# KiCad board raw.kicad_pcb (continued)
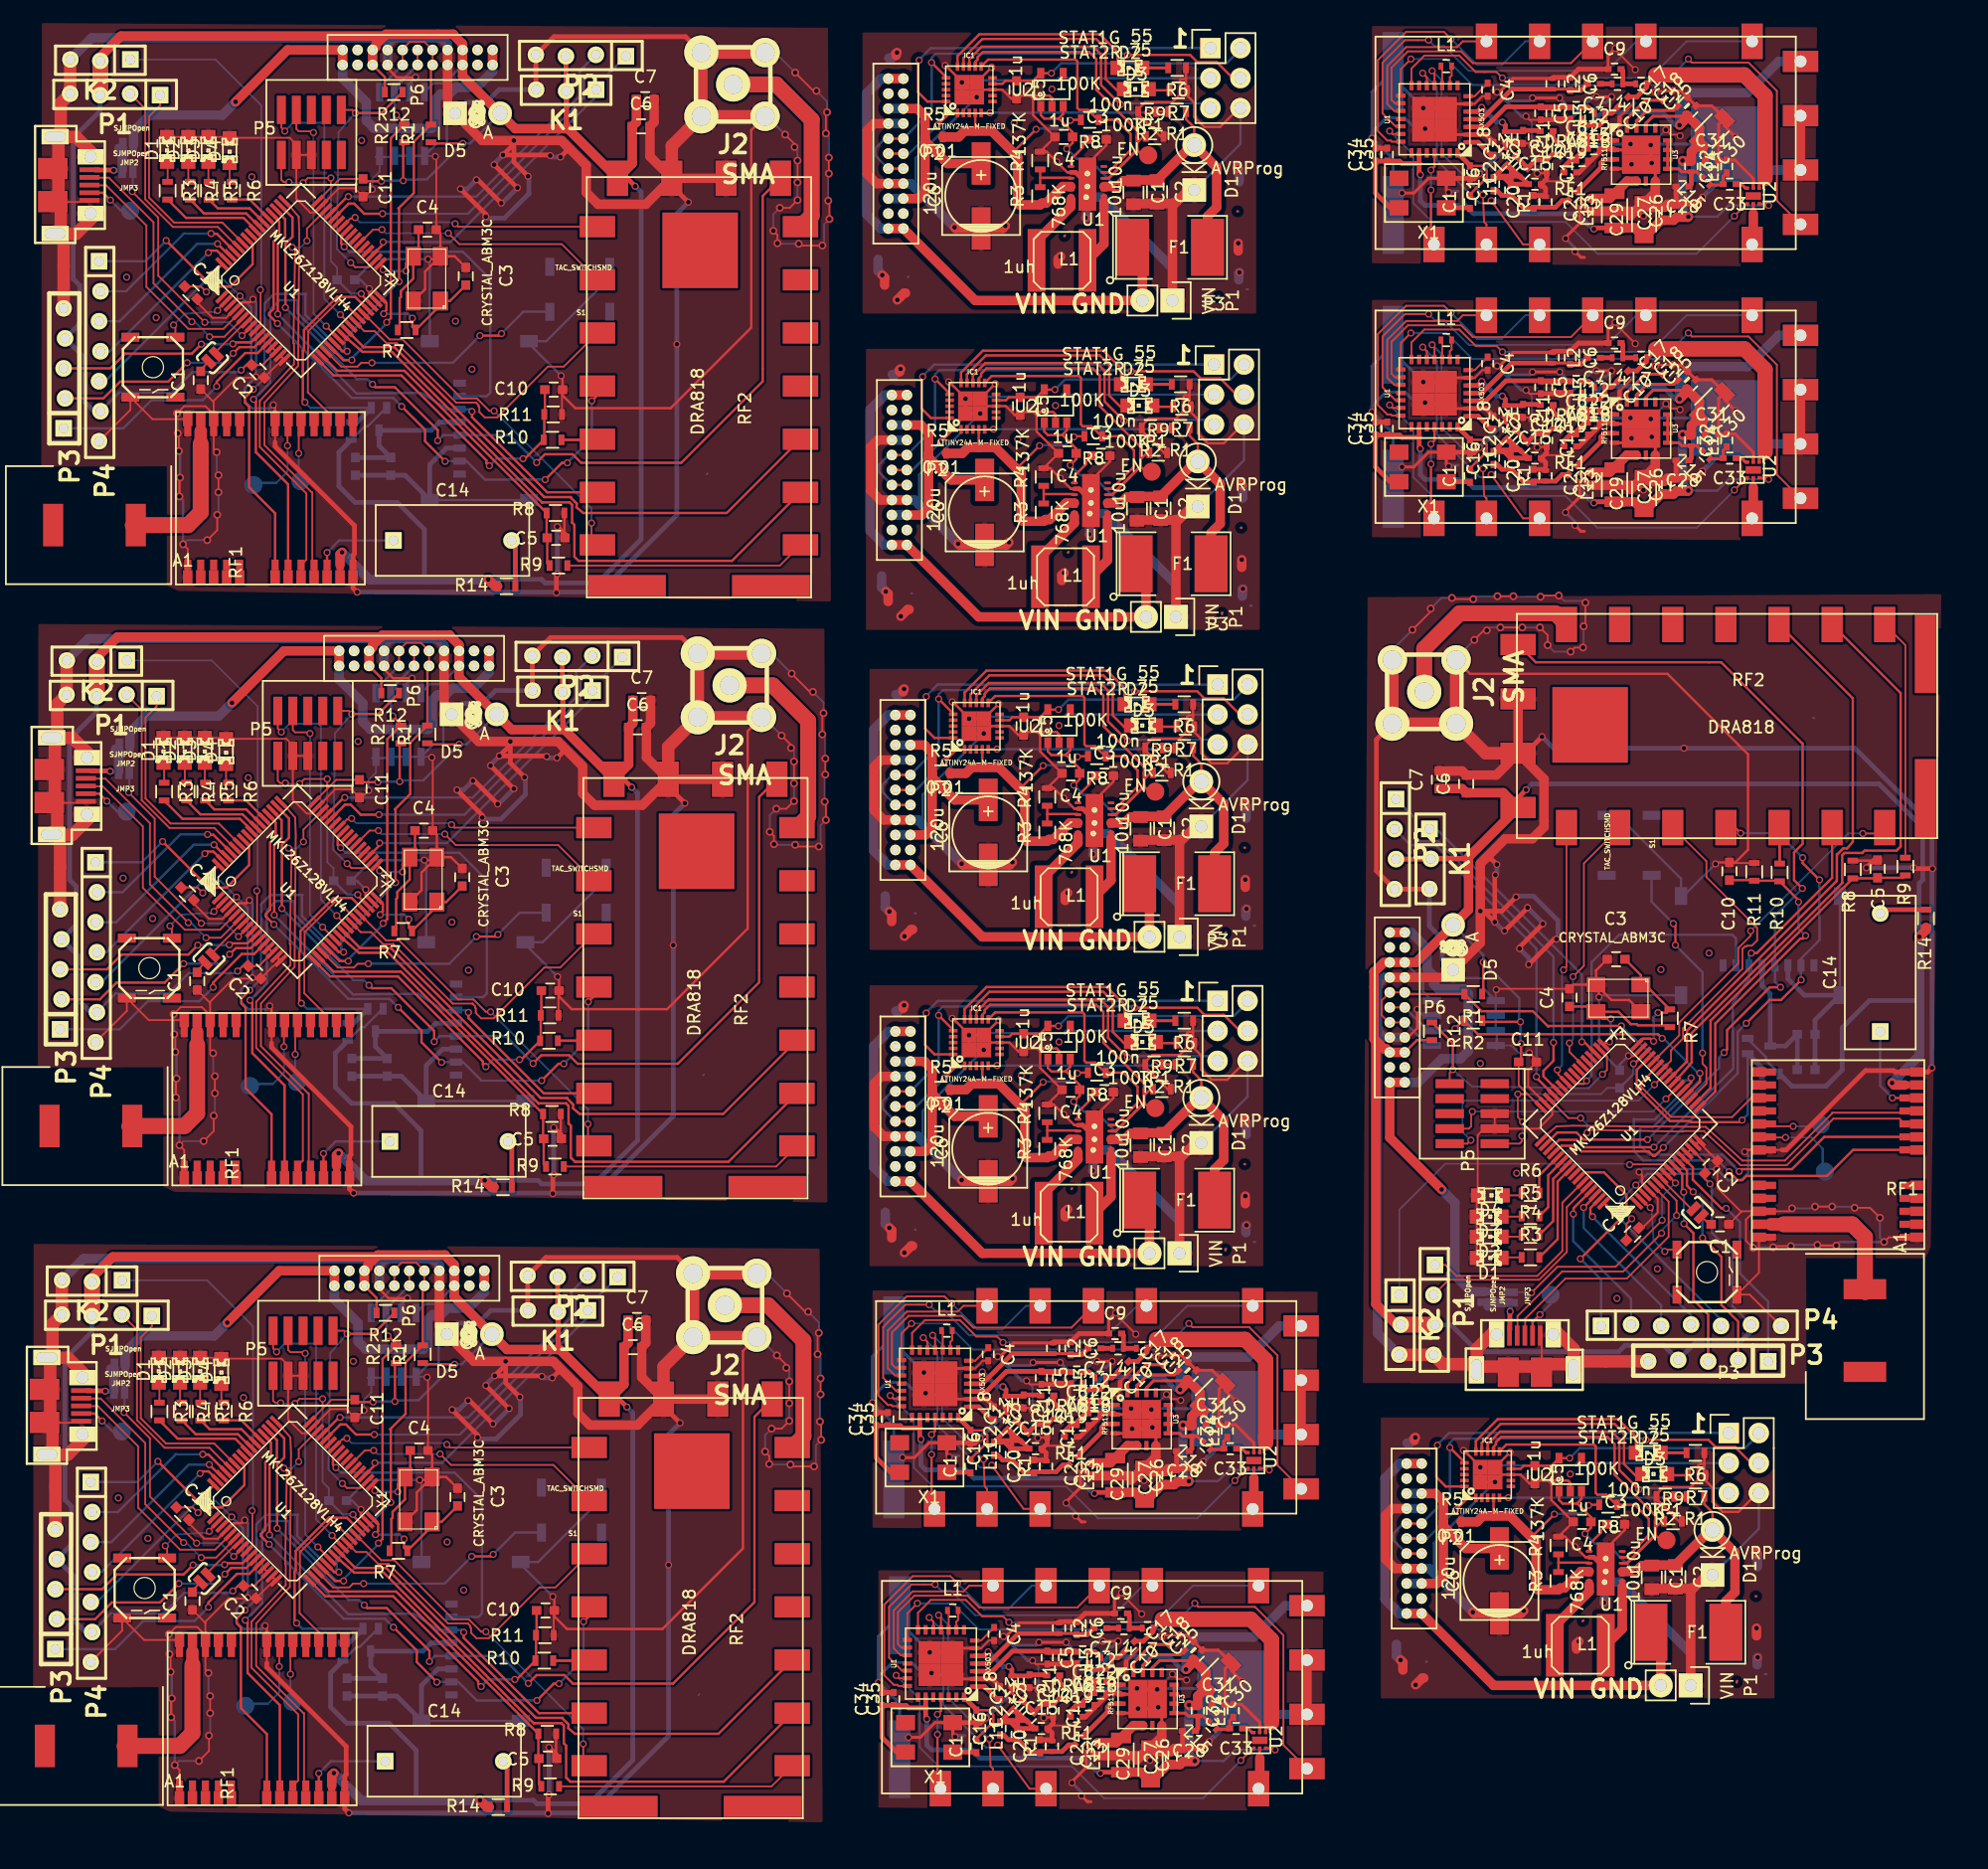
[diagram p0: board, top side]
## Routing (per net, layer and track width the routed paths; a pad name or vN(x,y) marks a point on that pad's centre or on a via; arc(x,y) is an arc through that point) (continued)
/externalUART2TX: length 76.2
  Top w0.152: P1#9.2 118.72,45.6 126.38,45.6 128.73,47.95 128.73,51.75 130.43,53.45 U1#9.60 ; P1#8.2 7.62,41.38 7.62,33.73 9.98,31.38 13.78,31.38 15.47,29.68 U1#8.60 ; P1#7.2 8.03,93.88 8.03,86.23 10.38,83.88 14.18,83.88 15.87,82.18 U1#7.60 ; P1#6.2 8.33,144.78 8.33,137.12 10.68,134.78 14.48,134.78 16.17,133.08 U1#6.60
/GPSPulse: length 61.6
  Top w0.152: RF1#4.3 144.35,61 142.73,59.38 139.4,59.38 139.38,59.4 137.57,59.4 135,61.97 135,62.28 136.44,63.71 U1#9.27 ; RF1#4.3 144.95,60.95 ; RF1#4.3 144.85,60.85 ; RF1#4.3 RF1#4.3 ; RF1#3.3 23.02,15.75 21.4,17.38 21.4,20.7 21.43,20.73 21.43,22.54 23.99,25.1 24.3,25.1 25.73,23.67 U1#8.27 ; RF1#3.3 22.98,15.15 ; RF1#3.3 22.88,15.25 ; RF1#3.3 RF1#3.3 ; RF1#2.3 23.43,68.25 21.8,69.88 21.8,73.2 21.83,73.23 21.83,75.04 24.39,77.6 24.7,77.6 26.13,76.17 U1#7.27 ; RF1#2.3 23.38,67.65 ; RF1#2.3 23.27,67.75 ; RF1#2.3 RF1#2.3 ; RF1.3 23.73,119.15 22.1,120.78 22.1,124.1 22.12,124.13 22.12,125.94 24.69,128.5 25,128.5 26.43,127.07 U1#6.27 ; RF1.3 23.68,118.55 ; RF1.3 RF1.3 ; RF1.3 23.58,118.65
/GPSRX: length 141.3
  Top w0.152: 127.1,57.95 127.1,57.95 127.1,57.95 ; 127.1,57.95 127.08,57.93 ; 19.98,33 19.98,33 19.98,33 ; 19.98,33 19.95,33.03 ; 20.38,85.5 20.38,85.5 20.38,85.5 ; 20.38,85.5 20.35,85.53 ; 20.68,136.4 20.68,136.4 20.68,136.4 ; 20.68,136.4 20.65,136.43 ; 127.08,57.93 127.85,58.6 127.95,58.6 129.25,58.65 140.5,58.55 140.6,58.45 143.6,55.7 147.2,55.7 151.2,59.7 151.2,59.75 157.2,59.75 RF1#4.21 RF1#4.21 158.35,59.85 ; 127.08,57.93 U1#9.49 ; 19.95,33.03 20.62,32.25 20.62,32.15 20.68,30.85 20.58,19.6 20.48,19.5 17.73,16.5 17.73,12.9 21.73,8.9 21.77,8.9 21.77,2.9 RF1#3.21 RF1#3.21 21.88,1.75 ; 19.95,33.03 U1#8.49 ; 20.35,85.53 21.02,84.75 21.02,84.65 21.08,83.35 20.98,72.1 20.88,72 18.12,69 18.12,65.4 22.12,61.4 22.18,61.4 22.18,55.4 RF1#2.21 RF1#2.21 22.27,54.25 ; 20.35,85.53 U1#7.49 ; 20.65,136.43 21.33,135.65 21.33,135.55 21.38,134.25 21.27,123 21.18,122.9 18.43,119.9 18.43,116.3 22.43,112.3 22.48,112.3 22.48,106.3 RF1.21 RF1.21 22.58,105.15 ; 20.65,136.43 U1#6.49
/GPSTX: length 143.4
  Top w0.152: v1(130.45,58.05) 130.7,58.3 138.55,58.15 138.6,58.2 140.35,58.2 140.6,57.95 143.4,55.35 143.45,55.3 147.35,55.3 151.3,59.25 156.9,59.25 RF1#4.20 RF1#4.20 ; v1(20.08,29.65) 20.33,29.4 20.18,21.55 20.23,21.5 20.23,19.75 19.98,19.5 17.38,16.7 17.33,16.65 17.33,12.75 21.27,8.8 21.27,3.2 RF1#3.20 RF1#3.20 ; v1(20.48,82.15) 20.73,81.9 20.58,74.05 20.62,74 20.62,72.25 20.38,72 17.77,69.2 17.73,69.15 17.73,65.25 21.68,61.3 21.68,55.7 RF1#2.20 RF1#2.20 ; v1(20.77,133.05) 21.02,132.8 20.88,124.95 20.93,124.9 20.93,123.15 20.68,122.9 18.08,120.1 18.02,120.05 18.02,116.15 21.98,112.2 21.98,106.6 RF1.20 RF1.20 ; v1(129.9,59.3) 128.86,59.3 U1#9.46 ; v1(21.33,30.2) 21.33,31.24 U1#8.46 ; v1(21.73,82.7) 21.73,83.74 U1#7.46 ; v1(22.02,133.6) 22.02,134.64 U1#6.46
  Bottom w0.152: v1(130.45,58.05) 130.45,58.75 v1(129.9,59.3) ; v1(20.08,29.65) 20.77,29.65 v1(21.33,30.2) ; v1(20.48,82.15) 21.18,82.15 v1(21.73,82.7) ; v1(20.77,133.05) 21.48,133.05 v1(22.02,133.6)
/internalI2C0SCL: length 265.5
  Top w0.152: RF1#3.19 RF1#3.19 ; P6#2.11 P6#2.12 31.09,97.23 ; RF1.19 RF1.19 ; 115.37,68.67 P6#4.12 P6#4.11 ; P6#3.11 P6#3.12 30.7,44.73 ; RF1#4.19 RF1#4.19 ; 31.4,148.13 P6.12 P6.11 ; RF1#2.19 RF1#2.19
  Top w0.2: v1(136.8,66.05) 136.45,66.4 121.2,66.4 R2#9.2 119.93,67.55 v1(119.25,66.88) ; v1(28.08,23.3) 28.43,23.65 28.43,38.9 R2#8.2 29.58,40.18 v1(28.9,40.85) ; v1(28.48,75.8) 28.83,76.15 28.83,91.4 R2#7.2 29.98,92.68 v1(29.3,93.35) ; v1(28.77,126.7) 29.12,127.05 29.12,142.3 R2#6.2 30.27,143.58 v1(29.6,144.25) ; v1(140,63.1) 140,62.37 U1#9.20 ; v1(25.12,20.1) 24.39,20.1 U1#8.20 ; v1(25.52,72.6) 24.79,72.6 U1#7.20 ; v1(25.83,123.5) 25.09,123.5 U1#6.20 ; v1(143.33,54.78) 143.53,54.98 147.8,54.98 150.53,57.7 RF1#4.19 ; v1(16.8,16.78) 17,16.58 17,12.3 19.73,9.58 RF1#3.19 ; v1(17.2,69.28) 17.4,69.08 17.4,64.8 20.12,62.08 RF1#2.19 ; v1(17.5,120.18) 17.7,119.98 17.7,115.7 20.43,112.98 RF1.19 ; P6#3.12 30.68,45.08 ; P6#4.12 115.02,68.65 ; P6#2.12 31.08,97.58 ; P6.12 31.38,148.48
  Bottom w0.2: v1(136.8,66.05) 136.9,66.05 136.9,66 136.95,66 139.85,63.1 v1(140,63.1) 140,62.5 136,58.5 135,58.5 134.93,58.43 134.93,56.98 135.7,56.2 141.9,56.2 v1(143.33,54.78) ; v1(28.08,23.3) 28.08,23.2 28.02,23.2 28.02,23.15 25.12,20.25 v1(25.12,20.1) 24.52,20.1 20.52,24.1 20.52,25.1 20.45,25.18 19,25.18 18.23,24.4 18.23,18.2 v1(16.8,16.78) ; v1(28.48,75.8) 28.48,75.7 28.43,75.7 28.43,75.65 25.52,72.75 v1(25.52,72.6) 24.93,72.6 20.93,76.6 20.93,77.6 20.85,77.68 19.4,77.68 18.62,76.9 18.62,70.7 v1(17.2,69.28) ; v1(28.77,126.7) 28.77,126.6 28.73,126.6 28.73,126.55 25.83,123.65 v1(25.83,123.5) 25.23,123.5 21.23,127.5 21.23,128.5 21.15,128.58 19.7,128.58 18.93,127.8 18.93,121.6 v1(17.5,120.18) ; P6#4.12 116.55,67.13 116.9,67.13 U2#13.6 119.09,66.72 v1(119.25,66.88) ; P6#3.12 29.15,43.55 29.15,43.21 U2#12.6 28.74,41.01 v1(28.9,40.85) ; P6#2.12 29.55,96.05 29.55,95.71 U2#11.6 29.14,93.51 v1(29.3,93.35) ; P6.12 29.85,146.95 29.85,146.61 U2#10.6 29.44,144.41 v1(29.6,144.25)
/internalI2C0SDA: length 292.5
  Top w0.152: P6#2.14 P6#2.13 29.83,98.95 30.43,99.55 31.69,99.55 P6#2.9 P6#2.10 ; P6#3.14 P6#3.13 29.43,46.45 30.02,47.05 31.29,47.05 P6#3.9 P6#3.10 ; P6#4.10 P6#4.9 113.05,69.26 113.05,68 113.65,67.4 P6#4.13 P6#4.14 ; RF1#2.18 RF1#2.18 ; RF1#4.18 RF1#4.18 ; RF1.18 RF1.18 ; P6.14 P6.13 30.12,149.85 30.73,150.45 31.98,150.45 P6.9 P6.10 ; RF1#3.18 RF1#3.18
  Top w0.2: v1(133.35,67.1) 127.2,67.1 127.15,67.05 125.85,68.35 121.5,68.35 R1#9.2 ; v1(29.12,26.75) 29.12,32.9 29.08,32.95 30.38,34.25 30.38,38.6 R1#8.2 ; v1(29.52,79.25) 29.52,85.4 29.48,85.45 30.77,86.75 30.77,91.1 R1#7.2 ; v1(29.83,130.15) 29.83,136.3 29.77,136.35 31.08,137.65 31.08,142 R1#6.2 ; v1(139.25,62.7) 139.25,62.33 U1#9.21 ; v1(24.73,20.85) 24.35,20.85 U1#8.21 ; v1(25.12,73.35) 24.75,73.35 U1#7.21 ; v1(25.43,124.25) 25.05,124.25 U1#6.21 ; P6#4.10 115.14,69.8 R1#9.2 ; P6#3.10 31.83,44.96 R1#8.2 ; P6#2.10 32.23,97.46 R1#7.2 ; P6.10 32.52,148.36 R1#6.2 ; v1(142.48,54.75) 143.18,54.05 143.6,54.05 143.95,54.4 150.78,54.4 152.98,56.6 RF1#4.18 ; v1(16.77,17.62) 16.08,16.93 16.08,16.5 16.43,16.15 16.43,9.33 18.62,7.12 RF1#3.18 ; v1(17.18,70.13) 16.48,69.43 16.48,69 16.83,68.65 16.83,61.83 19.02,59.63 RF1#2.18 ; v1(17.48,121.03) 16.77,120.33 16.77,119.9 17.12,119.55 17.12,112.73 19.33,110.53 RF1.18 ; R1#6.2 32.66,143.59 ; R1#7.2 32.37,92.69 ; R1#8.2 31.97,40.19 ; R1#9.2 119.91,69.94
  Bottom w0.2: v1(133.35,67.1) 133.35,67.05 138.25,62.5 139.05,62.5 v1(139.25,62.7) 139.25,62.25 136.18,59.18 134.45,59.18 134.4,59.23 134.4,56.5 135.2,55.7 141.53,55.7 v1(142.48,54.75) ; v1(29.12,26.75) 29.08,26.75 24.52,21.85 24.52,21.05 v1(24.73,20.85) 24.27,20.85 21.2,23.93 21.2,25.65 21.25,25.7 18.52,25.7 17.73,24.9 17.73,18.58 v1(16.77,17.62) ; v1(29.52,79.25) 29.48,79.25 24.93,74.35 24.93,73.55 v1(25.12,73.35) 24.68,73.35 21.6,76.43 21.6,78.15 21.65,78.2 18.93,78.2 18.12,77.4 18.12,71.08 v1(17.18,70.13) ; v1(29.83,130.15) 29.77,130.15 25.23,125.25 25.23,124.45 v1(25.43,124.25) 24.98,124.25 21.9,127.33 21.9,129.05 21.95,129.1 19.23,129.1 18.43,128.3 18.43,121.98 v1(17.48,121.03) ; U2#13.5 116.96,65.45 P6#4.14 ; U2#12.5 27.47,43.15 P6#3.14 ; U2#11.5 27.87,95.65 P6#2.14 ; U2#10.5 28.17,146.55 P6.14
/internalSPI0Clk: length 309.7
  Top w0.2: v1(135.55,57.48) 130.15,57.48 129.55,58.08 127.93,58.08 126.89,57.04 U1#9.50 ; v1(19.5,24.55) 19.5,29.95 20.1,30.55 20.1,32.18 19.06,33.22 U1#8.50 ; v1(19.9,77.05) 19.9,82.45 20.5,83.05 20.5,84.68 19.46,85.72 U1#7.50 ; v1(20.2,127.95) 20.2,133.35 20.8,133.95 20.8,135.58 19.76,136.62 U1#6.50 ; v1(142.05,64.85) 142.3,65.1 142.3,66.75 145.93,70.38 v1(146.83,70.38) ; v1(26.88,18.05) 27.12,17.8 28.77,17.8 32.4,14.18 v1(32.4,13.28) ; v1(27.27,70.55) 27.52,70.3 29.18,70.3 32.8,66.68 v1(32.8,65.78) ; v1(27.58,121.45) 27.83,121.2 29.48,121.2 33.1,117.58 v1(33.1,116.68) ; v1(148.68,78.75) 147.98,79.45 147.98,81.8 148.7,82.53 148.7,91 141.8,97.9 140.75,97.9 126.1,97.9 RF2#4.11 ; v1(40.77,11.43) 41.48,12.12 43.83,12.12 44.55,11.4 53.02,11.4 59.93,18.3 59.93,34 RF2#3.11 ; v1(41.18,63.93) 41.88,64.63 44.23,64.63 44.95,63.9 53.43,63.9 60.32,70.8 60.32,86.5 RF2#2.11 ; v1(41.48,114.83) 42.18,115.53 44.52,115.53 45.25,114.8 53.73,114.8 60.63,121.7 60.63,137.4 RF2.11
  Bottom w0.2: v1(135.55,57.48) 141.6,63.53 ; 141.6,63.53 141.6,63.55 ; 141.6,63.53 141.6,64.4 v1(142.05,64.85) ; v1(19.5,24.55) 25.55,18.5 ; 25.55,18.5 25.58,18.5 ; 25.55,18.5 26.43,18.5 v1(26.88,18.05) ; v1(19.9,77.05) 25.95,71 ; 25.95,71 25.98,71 ; 25.95,71 26.83,71 v1(27.27,70.55) ; v1(20.2,127.95) 26.25,121.9 ; 26.25,121.9 26.27,121.9 ; 26.25,121.9 27.12,121.9 v1(27.58,121.45) ; v1(146.83,70.38) 146.36,70.85 J1#4.5 146.36,76.43 v1(148.68,78.75) ; v1(32.4,13.28) 32.87,13.75 J1#3.5 38.45,13.75 v1(40.77,11.43) ; v1(32.8,65.78) 33.27,66.25 J1#2.5 38.85,66.25 v1(41.18,63.93) ; v1(33.1,116.68) 33.57,117.15 J1.5 39.15,117.15 v1(41.48,114.83)
/internalSPI0MISO: length 196.2
  Top w0.2: 127.68,56.33 U1#9.52 127.65,56.33 128.28,56.95 129.48,56.95 129.96,56.48 135.66,56.48 136.03,56.1 136.2,56.1 v1(136.9,56.8) ; 18.35,32.42 U1#8.52 18.35,32.45 18.98,31.83 18.98,30.62 18.5,30.15 18.5,24.45 18.12,24.08 18.12,23.9 v1(18.83,23.2) ; 18.75,84.92 U1#7.52 18.75,84.95 19.38,84.33 19.38,83.13 18.9,82.65 18.9,76.95 18.52,76.58 18.52,76.4 v1(19.23,75.7) ; 19.05,135.82 U1#6.52 19.05,135.85 19.68,135.23 19.68,134.03 19.2,133.55 19.2,127.85 18.83,127.48 18.83,127.3 v1(19.52,126.6) ; v1(150.13,79.48) 148.7,80.9 v1(148.7,81.35) ; v1(41.5,9.98) 42.93,11.4 v1(43.38,11.4) ; v1(41.9,62.48) 43.33,63.9 v1(43.77,63.9) ; v1(42.2,113.38) 43.62,114.8 v1(44.08,114.8) ; v1(143.45,83.43) 142.98,83.9 RF2#4.4 ; v1(45.45,16.65) 45.93,17.12 RF2#3.4 ; v1(45.85,69.15) 46.33,69.63 RF2#2.4 ; v1(46.15,120.05) 46.62,120.53 RF2.4 ; v1(143.93,67.33) 145.9,69.3 146.88,69.3 v1(148.58,71) ; v1(29.35,16.18) 31.33,14.2 31.33,13.23 v1(33.02,11.53) ; v1(29.75,68.68) 31.73,66.7 31.73,65.73 v1(33.43,64.03) ; v1(30.05,119.58) 32.02,117.6 32.02,116.63 v1(33.73,114.93)
  Bottom w0.2: v1(150.13,79.48) 150.13,74.38 148.56,72.81 J1#4.7 148.56,71.03 v1(148.58,71) ; v1(41.5,9.98) 36.4,9.98 34.83,11.55 J1#3.7 33.05,11.55 v1(33.02,11.53) ; v1(41.9,62.48) 36.8,62.48 35.23,64.05 J1#2.7 33.45,64.05 v1(33.43,64.03) ; v1(42.2,113.38) 37.1,113.38 35.53,114.95 J1.7 33.75,114.95 v1(33.73,114.93) ; v1(148.7,81.35) 146.63,83.43 v1(143.45,83.43) ; v1(43.38,11.4) 45.45,13.48 v1(45.45,16.65) ; v1(43.77,63.9) 45.85,65.98 v1(45.85,69.15) ; v1(44.08,114.8) 46.15,116.88 v1(46.15,120.05) ; v1(136.9,56.8) 143.2,63.1 143.2,66.6 v1(143.93,67.33) ; v1(18.83,23.2) 25.12,16.9 28.62,16.9 v1(29.35,16.18) ; v1(19.23,75.7) 25.52,69.4 29.02,69.4 v1(29.75,68.68) ; v1(19.52,126.6) 25.83,120.3 29.33,120.3 v1(30.05,119.58)
/internalSPI0MOSI: length 172.2
  Top w0.2: v1(144.35,73.28) 144.83,73.28 151.2,79.65 RF2#4.2 151.1,83.8 ; v1(35.3,15.75) 35.3,15.28 41.68,8.9 RF2#3.2 45.83,9 ; v1(35.7,68.25) 35.7,67.78 42.08,61.4 RF2#2.2 46.23,61.5 ; v1(36,119.15) 36,118.68 42.38,112.3 RF2.2 46.52,112.4 ; v1(136.1,56.83) 130.2,56.83 129.58,57.45 128.08,57.45 127.31,56.68 U1#9.51 ; v1(18.85,24) 18.85,29.9 19.48,30.53 19.48,32.03 18.7,32.8 U1#8.51 ; v1(19.25,76.5) 19.25,82.4 19.88,83.03 19.88,84.53 19.1,85.3 U1#7.51 ; v1(19.55,127.4) 19.55,133.3 20.18,133.93 20.18,135.43 19.4,136.2 U1#6.51
  Bottom w0.2: v1(144.35,73.28) 144.16,73.08 J1#4.3 144.16,71.16 142.78,69 142.83,63.5 v1(136.1,56.83) ; v1(35.3,15.75) 35.1,15.95 J1#3.3 33.18,15.95 31.02,17.33 25.52,17.28 v1(18.85,24) ; v1(35.7,68.25) 35.5,68.45 J1#2.3 33.58,68.45 31.43,69.83 25.93,69.78 v1(19.25,76.5) ; v1(36,119.15) 35.8,119.35 J1.3 33.88,119.35 31.73,120.73 26.23,120.68 v1(19.55,127.4)
/IRQOUT: length 126
  Top w0.16: v1(117.03,127.4) 115.03,127.4 113.12,125.5 113.12,121.2 114.22,120.1 U1#13.19 ; v1(117.03,150.6) 115.03,150.6 113.12,148.7 113.12,144.4 114.22,143.3 U1#12.19 ; v1(75.22,19.8) 73.22,19.8 71.32,17.9 71.32,13.6 72.42,12.5 U1#11.19 ; v1(74.72,43.5) 72.72,43.5 70.82,41.6 70.82,37.3 71.92,36.2 U1#10.19
  Bottom w0.16: v1(117.03,127.4) 117.53,126.9 118.32,126.9 120.42,124.8 132.12,124.8 134.62,127.3 RF1#8.5 ; v1(117.03,150.6) 117.53,150.1 118.32,150.1 120.42,148 132.12,148 134.62,150.5 RF1#7.5 ; v1(75.22,19.8) 75.72,19.3 76.53,19.3 78.62,17.2 90.32,17.2 92.82,19.7 RF1#6.5 ; v1(74.72,43.5) 75.22,43 76.03,43 78.12,40.9 89.82,40.9 92.32,43.4 RF1#5.5
/ISense: length 130.3
  Top w0.2: U1#5.5 U1#5.4 ; U1#4.5 U1#4.4 ; U1.5 U1.4 ; U1#3.5 U1#3.4 ; U1#2.5 U1#2.4 ; 122.53,25.6 122.53,25.8 122.53,25.6 ; 122.53,25.6 IC1#5.4 ; 79.22,62.2 79.22,62.4 79.22,62.2 ; 79.23,62.2 IC1#4.4 ; 79.22,89 79.22,89.2 79.22,89 ; 79.23,89 IC1#3.4 ; 78.93,116.1 78.93,116.3 78.93,116.1 ; 78.93,116.1 IC1#2.4 ; 78.62,142.9 78.62,143.1 78.62,142.9 ; 78.63,142.9 IC1.4 ; v1(130.57,26.5) 130.62,26.55 R8#5.2 ; v1(87.28,63.1) 87.32,63.15 R8#4.2 ; v1(87.28,89.9) 87.32,89.95 R8.2 ; v1(86.97,117) 87.03,117.05 R8#3.2 ; v1(86.68,143.8) 86.72,143.85 R8#2.2 ; v1(127.67,25.75) 125.72,23.8 125.78,23.85 125.78,23.75 ; v1(84.38,62.35) 82.43,60.4 82.47,60.45 82.47,60.35 ; v1(84.38,89.15) 82.43,87.2 82.47,87.25 82.47,87.15 ; v1(84.07,116.25) 82.12,114.3 82.18,114.35 82.18,114.25 ; v1(83.78,143.05) 81.82,141.1 81.88,141.15 81.88,141.05
  Top w0.8: R5#5.2 77.82,61.7 78.32,62.2 80.62,62.2 82.82,60 82.82,56.1 82.97,55.95 R3#5.1 84.88,56.1 85.22,56.1 86.62,57.5 87.32,57.5 ; R5.2 77.22,142.4 77.72,142.9 80.03,142.9 82.22,140.7 82.22,136.8 82.38,136.65 R3.1 84.28,136.8 84.62,136.8 86.03,138.2 86.72,138.2 ; 87.03,111.4 86.32,111.4 84.93,110 84.57,110 R3#2.1 82.68,109.85 82.53,110 82.53,113.9 80.32,116.1 78.03,116.1 77.53,115.6 R5#2.2 ; R5#4.2 121.12,25.1 121.62,25.6 123.92,25.6 126.12,23.4 126.12,19.5 126.28,19.35 R3#4.1 128.17,19.5 128.53,19.5 129.92,20.9 130.62,20.9 ; R5#3.2 77.82,88.5 78.32,89 80.62,89 82.82,86.8 82.82,82.9 82.97,82.75 R3#3.1 84.88,82.9 85.22,82.9 86.62,84.3 87.32,84.3
  Bottom w0.2: v1(130.57,26.5) 129.88,25.8 127.72,25.8 v1(127.67,25.75) ; v1(87.28,63.1) 86.57,62.4 84.43,62.4 v1(84.38,62.35) ; v1(87.28,89.9) 86.57,89.2 84.43,89.2 v1(84.38,89.15) ; v1(86.97,117) 86.28,116.3 84.12,116.3 v1(84.07,116.25) ; v1(86.68,143.8) 85.97,143.1 83.82,143.1 v1(83.78,143.05)
/LED1: length 34.1
  Top w0.2: R3#9.2 127.95,49.05 127.95,53.93 128.94,54.91 U1#9.56 ; R3#8.2 11.08,32.15 15.95,32.15 16.93,31.17 U1#8.56 ; R3#7.2 11.48,84.65 16.35,84.65 17.33,83.67 U1#7.56 ; R3#6.2 11.78,135.55 16.65,135.55 17.63,134.57 U1#6.56
/LED2: length 27.2
  Top w0.2: R4#9.2 127.58,50.58 127.58,54.15 128.66,55.23 U1#9.55 ; R4#8.2 12.6,32.53 16.18,32.53 17.25,31.45 U1#8.55 ; R4#7.2 13,85.03 16.58,85.03 17.65,83.95 U1#7.55 ; R4#6.2 13.3,135.93 16.88,135.93 17.95,134.85 U1#6.55
/LED3: length 21.6
  Top w0.2: R5#9.2 127.15,51.75 127.15,54.45 128.3,55.61 U1#9.54 ; R5#8.2 13.78,32.95 16.48,32.95 17.63,31.8 U1#8.54 ; R5#7.2 14.18,85.45 16.88,85.45 18.03,84.3 U1#7.54 ; R5#6.2 14.48,136.35 17.18,136.35 18.33,135.2 U1#6.54
/LED4: length 14.7
  Top w0.2: R6#9.2 126.4,54.45 127.93,55.98 U1#9.53 ; R6#8.2 16.48,33.7 18,32.18 U1#8.53 ; R6#7.2 16.88,86.2 18.4,84.68 U1#7.53 ; R6#6.2 17.18,137.1 18.7,135.58 U1#6.53
/MISO: length 89.7
  Top w0.16: RF1#8.4 129.07,125.45 120.78,125.45 119.78,126.45 115.28,126.45 113.89,125.06 113.89,122.34 114.17,122.05 U1#13.16 ; RF1#7.4 129.07,148.65 120.78,148.65 119.78,149.65 115.28,149.65 113.89,148.26 113.89,145.54 114.17,145.25 U1#12.16 ; RF1#6.4 87.28,17.85 78.97,17.85 77.97,18.85 73.47,18.85 72.09,17.46 72.09,14.74 72.37,14.45 U1#11.16 ; RF1#5.4 86.78,41.55 78.47,41.55 77.47,42.55 72.97,42.55 71.59,41.16 71.59,38.44 71.87,38.15 U1#10.16
/MOSI: length 55.5
  Top w0.16: U1#13.17 114.12,121.4 113.53,122 113.53,125.21 115.13,126.81 119.44,126.81 119.92,127.3 RF1#8.2 ; U1#12.17 114.12,144.6 113.53,145.2 113.53,148.41 115.13,150.01 119.44,150.01 119.92,150.5 RF1#7.2 ; U1#11.17 72.32,13.8 71.72,14.4 71.72,17.61 73.33,19.21 77.64,19.21 78.12,19.7 RF1#6.2 ; U1#10.17 71.82,37.5 71.22,38.1 71.22,41.31 72.83,42.91 77.14,42.91 77.62,43.4 RF1#5.2
/PA/PAInput: length 29.9
  Top w0.4: v1(121.53,121.7) 121.18,121.35 U1#13.5 ; v1(121.53,144.9) 121.18,144.55 U1#12.5 ; v1(79.72,14.1) 79.38,13.75 U1#11.5 ; v1(79.22,37.8) 78.88,37.45 U1#10.5 ; v1(123.28,120.45) 123.53,120.2 L8#4.2 124.92,119.65 C11#8.1 126.42,119.75 C12#4.2 ; v1(123.28,143.65) 123.53,143.4 L8#3.2 124.92,142.85 C11#7.1 126.42,142.95 C12#3.2 ; v1(81.47,12.85) 81.72,12.6 L8#2.2 83.12,12.05 C11#6.1 84.62,12.15 C12#2.2 ; v1(80.97,36.55) 81.22,36.3 L8.2 82.62,35.75 C11#5.1 84.12,35.85 C12.2
  Bottom w0.4: v1(121.53,121.7) 122.78,120.45 v1(123.28,120.45) ; v1(121.53,144.9) 122.78,143.65 v1(123.28,143.65) ; v1(79.72,14.1) 80.97,12.85 v1(81.47,12.85) ; v1(79.22,37.8) 80.47,36.55 v1(80.97,36.55)
/PA/PAOutput: length 4.4
  Top w0.25: U2#9.6 143.86,114.86 143.53,115.2 C33#4.1 ; U2#8.6 143.86,138.06 143.53,138.4 C33#3.1 ; U2#7.6 102.06,7.26 101.72,7.6 C33#2.1 ; U2#6.6 101.56,30.96 101.22,31.3 C33.1
/PSave: length 111.1
  Top w0.2: IC1#5.11 123.61,31.65 131.03,31.65 131.17,31.5 131.17,27.55 131.32,27.4 132.07,27.4 132.92,26.55 R8#5.1 134.47,26.55 135.67,25.35 135.67,23.98 133.79,22.1 U1#5.13 ; IC1#4.11 80.31,68.25 87.72,68.25 87.88,68.1 87.88,64.15 88.03,64 88.78,64 89.62,63.15 R8#4.1 91.18,63.15 92.38,61.95 92.38,60.58 90.49,58.7 U1#4.13 ; IC1#3.11 80.31,95.05 87.72,95.05 87.88,94.9 87.88,90.95 88.03,90.8 88.78,90.8 89.62,89.95 R8.1 91.18,89.95 92.38,88.75 92.38,87.38 90.49,85.5 U1.13 ; IC1#2.11 80.01,122.15 87.43,122.15 87.57,122 87.57,118.05 87.72,117.9 88.47,117.9 89.32,117.05 R8#3.1 90.88,117.05 92.07,115.85 92.07,114.48 90.19,112.6 U1#3.13 ; IC1.11 79.71,148.95 87.12,148.95 87.28,148.8 87.28,144.85 87.43,144.7 88.18,144.7 89.03,143.85 R8#2.1 90.57,143.85 91.78,142.65 91.78,141.28 89.89,139.4 U1#2.13
/SDA: length 216.1
  Top w0.2: 120.01,30.05 IC1#5.16 ; IC1#5.16 120.06,30.12 ; IC1#5.16 120.06,30.17 v1(118.82,31.4) ; 76.71,66.65 IC1#4.16 ; IC1#4.16 76.76,66.72 ; IC1#4.16 76.76,66.77 v1(75.53,68) ; 76.71,93.45 IC1#3.16 ; IC1#3.16 76.76,93.52 ; IC1#3.16 76.76,93.57 v1(75.53,94.8) ; 76.41,120.55 IC1#2.16 ; IC1#2.16 76.46,120.62 ; IC1#2.16 76.46,120.67 v1(75.22,121.9) ; 76.11,147.35 IC1.16 ; IC1.16 76.16,147.42 ; IC1.16 76.16,147.47 v1(74.93,148.7) ; v1(135.42,32.05) 140.72,32.05 141.32,31.45 142.97,31.45 144.34,30.09 P3#4.4 ; v1(92.12,68.65) 97.43,68.65 98.03,68.05 99.68,68.05 101.04,66.69 P3#5.4 ; v1(92.12,95.45) 97.43,95.45 98.03,94.85 99.68,94.85 101.04,93.49 P3#3.4 ; v1(91.82,122.55) 97.12,122.55 97.72,121.95 99.38,121.95 100.74,120.59 101.39,120.59 ; v1(91.53,149.35) 96.82,149.35 97.43,148.75 99.07,148.75 100.44,147.39 101.09,147.39 ; P2.9 P2.10 ; P2#2.9 P2#2.10 ; P2#5.13 P2#5.14 ; P2#3.13 P2#3.14 ; P2#4.9 P2#4.10 ; P2#2.13 P2#2.14 ; P2#4.13 P2#4.14 ; P2#5.9 P2#5.10 ; P2#3.9 P2#3.10 ; P2.13 P2.14
  Bottom w0.2: P2#5.13 114.07,23.51 114.07,24.15 114.88,24.96 P2#5.9 ; P2#4.13 70.78,60.11 70.78,60.75 71.59,61.56 P2#4.9 ; P2#3.13 70.78,86.91 70.78,87.55 71.59,88.36 P2#3.9 ; P2#2.13 70.47,114.01 70.47,114.65 71.28,115.46 P2#2.9 ; P2.13 70.18,140.81 70.18,141.45 70.99,142.26 P2.9 ; v1(135.42,32.05) 135.32,32.15 119.17,32.15 118.82,31.8 v1(118.82,31.4) 118.82,27.35 P2#5.10 ; v1(92.12,68.65) 92.03,68.75 75.88,68.75 75.53,68.4 v1(75.53,68) 75.53,63.95 P2#4.10 ; v1(92.12,95.45) 92.03,95.55 75.88,95.55 75.53,95.2 v1(75.53,94.8) 75.53,90.75 P2#3.10 ; v1(91.82,122.55) 91.72,122.65 75.57,122.65 75.22,122.3 v1(75.22,121.9) 75.22,117.85 P2#2.10 ; v1(91.53,149.35) 91.43,149.45 75.28,149.45 74.93,149.1 v1(74.93,148.7) 74.93,144.65 P2.10 ; 101.39,120.59 101.21,120.59 ; P3#4.4 144.81,30.09 ; P3#5.4 101.51,66.69 ; P3#3.4 101.51,93.49 ; 101.09,147.39 100.91,147.39
/SDPower: length 85.3
  Top w0.2: 21.68,122.55 21.68,124.3 21.77,124.4 21.77,126.05 24.58,128.85 26.11,128.85 U1#6.29 ; 21.68,122.55 21.68,122.6 ; 21.68,122.55 21.68,120.1 v1(21.85,119.93) ; 140.95,58.95 139.2,58.95 139.1,59.05 137.45,59.05 134.65,61.85 134.65,63.39 U1#9.29 ; 140.95,58.95 140.9,58.95 ; 140.95,58.95 143.4,58.95 v1(143.58,59.13) ; 20.98,19.15 20.98,20.9 21.08,21 21.08,22.65 23.88,25.45 25.41,25.45 U1#8.29 ; 20.98,19.15 20.98,19.2 ; 20.98,19.15 20.98,16.7 v1(21.15,16.53) ; 21.38,71.65 21.38,73.4 21.48,73.5 21.48,75.15 24.27,77.95 25.81,77.95 U1#7.29 ; 21.38,71.65 21.38,71.7 ; 21.38,71.65 21.38,69.2 v1(21.55,69.03)
  Bottom w0.2: v1(143.58,59.13) 144.05,59.6 Q1#4.1 ; v1(21.15,16.53) 21.63,16.05 Q1#3.1 ; v1(21.55,69.03) 22.03,68.55 Q1#2.1 ; v1(21.85,119.93) 22.33,119.45 Q1.1
  Bottom w0.4: Q1#4.1 145.25,63.55 R13#4.1 ; Q1#3.1 25.57,14.85 R13#3.1 ; Q1#2.1 25.97,67.35 R13#2.1 ; Q1.1 26.27,118.25 R13.1
/SDSelect: length 110.1
  Top w0.2: v1(130.4,62.45) 130.15,62.2 129.5,62.2 U1#9.41 ; v1(24.48,29.7) 24.23,29.95 24.23,30.6 U1#8.41 ; v1(24.88,82.2) 24.62,82.45 24.62,83.1 U1#7.41 ; v1(25.18,133.1) 24.93,133.35 24.93,134 U1#6.41
  Bottom w0.2: v1(130.4,62.45) 130.83,62.88 130.83,72.5 133.15,74.83 142.75,74.83 143.06,74.53 J1#4.2 ; v1(24.48,29.7) 24.9,29.28 34.52,29.28 36.85,26.95 36.85,17.35 36.55,17.05 J1#3.2 ; v1(24.88,82.2) 25.3,81.78 34.93,81.78 37.25,79.45 37.25,69.85 36.95,69.55 J1#2.2 ; v1(25.18,133.1) 25.6,132.68 35.23,132.68 37.55,130.35 37.55,120.75 37.25,120.45 J1.2
/SEL: length 133.5
  Top w0.16: v1(123.28,124.2) 122.78,124.7 121.02,124.7 119.63,126.09 116.66,126.09 115.57,125 U1#13.14 ; v1(123.28,147.4) 122.78,147.9 121.02,147.9 119.63,149.29 116.66,149.29 115.57,148.2 U1#12.14 ; v1(81.47,16.6) 80.97,17.1 79.22,17.1 77.83,18.49 74.86,18.49 73.77,17.4 U1#11.14 ; v1(80.97,40.3) 80.47,40.8 78.72,40.8 77.33,42.19 74.36,42.19 73.27,41.1 U1#10.14
  Bottom w0.16: v1(123.28,124.2) 135.78,124.2 138.88,127.3 RF1#8.7 143.88,127.3 ; v1(123.28,147.4) 135.78,147.4 138.88,150.5 RF1#7.7 143.88,150.5 ; v1(81.47,16.6) 93.97,16.6 97.07,19.7 RF1#6.7 102.07,19.7 ; v1(80.97,40.3) 93.47,40.3 96.57,43.4 RF1#5.7 101.57,43.4
/SW0: length 27.7
  Top w0.152: v1(135.8,51.73) 135.98,51.48 135.02,52.44 U1#9.2 ; v1(13.75,24.3) 13.5,24.12 14.46,25.08 U1#8.2 ; v1(14.15,76.8) 13.9,76.63 14.86,77.58 U1#7.2 ; v1(14.45,127.7) 14.2,127.53 15.16,128.48 U1#6.2 ; v1(137.03,48) 137.18,48.16 S2#4.1 ; v1(10.03,23.08) 10.18,22.92 S2#3.1 ; v1(10.43,75.58) 10.58,75.42 S2#2.1 ; v1(10.73,126.48) 10.88,126.32 S2.1
  Bottom w0.152: v1(135.8,51.73) 135.9,51.63 136.08,48.95 v1(137.03,48) ; v1(13.75,24.3) 13.65,24.2 10.98,24.03 v1(10.03,23.08) ; v1(14.15,76.8) 14.05,76.7 11.38,76.53 v1(10.43,75.58) ; v1(14.45,127.7) 14.35,127.6 11.68,127.43 v1(10.73,126.48)
/SW1: length 85.7
  Top w0.152: U1#9.19 140.55,62.21 140.55,63.58 140.23,63.9 v1(140.23,64.8) ; U1#8.19 24.23,19.55 25.6,19.55 25.93,19.88 v1(26.83,19.88) ; U1#7.19 24.63,72.05 26,72.05 26.33,72.38 v1(27.23,72.38) ; U1#6.19 24.93,122.95 26.3,122.95 26.62,123.28 v1(27.52,123.28)
  Top w0.2: v1(137.75,75.78) 137.93,75.6 v1(137.93,73.95) ; v1(37.8,22.35) 37.62,22.18 v1(35.98,22.18) ; v1(38.2,74.85) 38.02,74.68 v1(36.38,74.68) ; v1(38.5,125.75) 38.33,125.58 v1(36.68,125.58) ; v1(140.23,64.8) 140.2,64.8 ; v1(26.83,19.88) 26.83,19.9 ; v1(27.23,72.38) 27.23,72.4 ; v1(27.52,123.28) 27.52,123.3
  Bottom w0.2: v1(137.75,75.78) 135.91,77.62 S1#4.1 ; v1(37.8,22.35) 39.65,24.2 S1#3.1 ; v1(38.2,74.85) 40.05,76.7 S1#2.1 ; v1(38.5,125.75) 40.34,127.6 S1.1 ; v1(137.93,73.95) 140.23,71.65 v1(140.23,64.8) ; v1(35.98,22.18) 33.68,19.88 v1(26.83,19.88) ; v1(36.38,74.68) 34.08,72.38 v1(27.23,72.38) ; v1(36.68,125.58) 34.38,123.28 v1(27.52,123.28)
/SWD_CLK: length 86.2
  Top w0.152: v1(137.13,60.93) 138.19,61.99 U1#9.22 ; v1(22.95,22.98) 24.01,21.92 U1#8.22 ; v1(23.35,75.48) 24.41,74.42 U1#7.22 ; v1(23.65,126.38) 24.71,125.32 U1#6.22 ; v1(120.73,59.85) 120.63,59.75 120.63,58.6 120.43,58.4 P5#4.4 ; v1(21.88,39.38) 21.77,39.48 20.62,39.48 20.43,39.68 P5#3.4 ; v1(22.27,91.88) 22.18,91.98 21.02,91.98 20.83,92.18 P5#2.4 ; v1(22.58,142.78) 22.48,142.88 21.33,142.88 21.12,143.08 P5.4
  Bottom w0.152: v1(137.13,60.93) 136.05,59.85 v1(120.73,59.85) ; v1(22.95,22.98) 21.88,24.05 v1(21.88,39.38) ; v1(23.35,75.48) 22.27,76.55 v1(22.27,91.88) ; v1(23.65,126.38) 22.58,127.45 v1(22.58,142.78)
/SWD_DIO: length 94.5
  Top w0.152: v1(136.15,62.13) 137.07,63.05 U1#9.25 ; v1(24.15,23.95) 25.07,23.03 U1#8.25 ; v1(24.55,76.45) 25.47,75.53 U1#7.25 ; v1(24.85,127.35) 25.77,126.43 U1#6.25 ; v1(120.6,57.43) 120.31,57.13 P5#4.2 ; v1(19.45,39.5) 19.16,39.8 P5#3.2 ; v1(19.85,92) 19.55,92.3 P5#2.2 ; v1(20.15,142.9) 19.86,143.2 P5.2
  Bottom w0.152: v1(136.15,62.13) 134.8,60.78 120.1,60.78 119.9,60.58 119.9,58.13 v1(120.6,57.43) ; v1(24.15,23.95) 22.8,25.3 22.8,40 22.6,40.2 20.15,40.2 v1(19.45,39.5) ; v1(24.55,76.45) 23.2,77.8 23.2,92.5 23,92.7 20.55,92.7 v1(19.85,92) ; v1(24.85,127.35) 23.5,128.7 23.5,143.4 23.3,143.6 20.85,143.6 v1(20.15,142.9)
/SWD_Reset: length 89.8
  Top w0.152: v1(119.08,63.4) 118.81,63.14 P5#4.10 ; v1(25.43,41.03) 25.16,41.29 P5#3.10 ; v1(25.83,93.53) 25.56,93.79 P5#2.10 ; v1(26.12,144.43) 25.86,144.69 P5.10 ; v1(131.75,63) 132.13,63.38 132.13,64.53 U1#9.34 ; v1(25.02,28.35) 25.4,27.98 26.55,27.98 U1#8.34 ; v1(25.43,80.85) 25.8,80.48 26.95,80.48 U1#7.34 ; v1(25.73,131.75) 26.1,131.38 27.25,131.38 U1#6.34 ; R12.1 30.12,146.08 ; R12#2.1 29.83,95.18 ; R12#4.1 117.43,67.4 ; R12#3.1 29.43,42.68
  Top w0.2: R12#4.1 119.08,65.63 v1(119.08,63.4) ; R12#3.1 27.65,41.03 v1(25.43,41.03) ; R12#2.1 28.05,93.53 v1(25.83,93.53) ; R12.1 28.35,144.43 v1(26.12,144.43)
  Bottom w0.152: v1(119.08,63.4) 120.7,61.98 130.58,61.83 v1(131.75,63) ; v1(25.43,41.03) 24,39.4 23.85,29.53 v1(25.02,28.35) ; v1(25.83,93.53) 24.4,91.9 24.25,82.03 v1(25.43,80.85) ; v1(26.12,144.43) 24.7,142.8 24.55,132.93 v1(25.73,131.75)
/TXRX: length 159.8
  Top w0.16: v1(142.92,112.5) 143.97,113.54 U2#9.1 144.03,113.4 ; v1(142.92,135.7) 143.97,136.74 U2#8.1 144.03,136.6 ; v1(101.12,4.9) 102.16,5.94 U2#7.1 102.22,5.8 ; v1(100.62,28.6) 101.66,29.64 U2#6.1 101.72,29.5 ; v1(113.72,119.7) 113.97,119.45 U1#13.20 ; v1(113.72,142.9) 113.97,142.65 U1#12.20 ; v1(71.93,12.1) 72.17,11.85 U1#11.20 ; v1(71.43,35.8) 71.67,35.55 U1#10.20
  Bottom w0.16: v1(142.92,112.5) 139.72,109.3 131.32,109.3 128.62,112 117.32,112 115.72,113.6 115.72,117.7 v1(113.72,119.7) ; v1(142.92,135.7) 139.72,132.5 131.32,132.5 128.62,135.2 117.32,135.2 115.72,136.8 115.72,140.9 v1(113.72,142.9) ; v1(101.12,4.9) 97.93,1.7 89.53,1.7 86.82,4.4 75.53,4.4 73.93,6 73.93,10.1 v1(71.93,12.1) ; v1(100.62,28.6) 97.43,25.4 89.03,25.4 86.32,28.1 75.03,28.1 73.43,29.7 73.43,33.8 v1(71.43,35.8)
/UART_RX: length 85
  Top w0.16: v1(122.32,113.8) 125.03,110.1 RF1#8.16 ; v1(122.32,137) 125.03,133.3 RF1#7.16 ; v1(80.53,6.2) 83.22,2.5 RF1#6.16 ; v1(80.03,29.9) 82.72,26.2 RF1#5.16 ; v1(116.53,124.6) 116.87,124.25 U1#13.12 ; v1(116.53,147.8) 116.87,147.45 U1#12.12 ; v1(74.72,17) 75.07,16.65 U1#11.12 ; v1(74.22,40.7) 74.57,40.35 U1#10.12
  Bottom w0.16: v1(116.53,124.6) 117.72,123.4 117.72,117.2 121.32,113.6 122.03,113.6 122.22,113.8 v1(122.32,113.8) ; v1(116.53,147.8) 117.72,146.6 117.72,140.4 121.32,136.8 122.03,136.8 122.22,137 v1(122.32,137) ; v1(74.72,17) 75.93,15.8 75.93,9.6 79.53,6 80.22,6 80.43,6.2 v1(80.53,6.2) ; v1(74.22,40.7) 75.43,39.5 75.43,33.3 79.03,29.7 79.72,29.7 79.93,29.9 v1(80.03,29.9)
/UART_TX: length 76.4
  Top w0.16: v1(121.62,114.3) 121.72,112 121.92,111.8 RF1#8.17 ; v1(121.62,137.5) 121.72,135.2 121.92,135 RF1#7.17 ; v1(79.82,6.7) 79.93,4.4 80.12,4.2 RF1#6.17 ; v1(79.32,30.4) 79.43,28.1 79.62,27.9 RF1#5.17 ; v1(117.32,124.8) 117.53,124.6 U1#13.11 ; v1(117.32,148) 117.53,147.8 U1#12.11 ; v1(75.53,17.2) 75.72,17 U1#11.11 ; v1(75.03,40.9) 75.22,40.7 U1#10.11
  Bottom w0.16: v1(121.62,114.3) 118.12,117.8 118.12,124 v1(117.32,124.8) ; v1(121.62,137.5) 118.12,141 118.12,147.2 v1(117.32,148) ; v1(79.82,6.7) 76.32,10.2 76.32,16.4 v1(75.53,17.2) ; v1(79.32,30.4) 75.82,33.9 75.82,40.1 v1(75.03,40.9) ; RF1#8.17 121.92,111.3 ; RF1#6.17 80.12,3.7 ; RF1#7.17 121.92,134.5 ; RF1#5.17 79.62,27.4
/USBDM: length 87.2
  Top w0.152: v1(138.03,51.05) 138.03,52.3 136.48,53.86 U1#9.6 ; v1(13.08,22.08) 14.33,22.08 15.88,23.63 U1#8.6 ; v1(13.48,74.58) 14.73,74.58 16.28,76.13 U1#7.6 ; v1(13.78,125.48) 15.03,125.48 16.58,127.03 U1#6.6 ; v1(136.75,49.55) 133.5,46.3 128.33,46.3 124.55,42.53 124.55,41.36 ; v1(11.58,23.35) 8.33,26.6 8.33,31.78 4.55,35.55 3.38,35.55 ; v1(11.98,75.85) 8.73,79.1 8.73,84.28 4.95,88.05 3.78,88.05 ; v1(12.28,126.75) 9.03,130 9.03,135.18 5.25,138.95 4.08,138.95
  Bottom w0.152: v1(138.03,51.05) 136.75,49.78 v1(136.75,49.55) ; v1(13.08,22.08) 11.8,23.35 v1(11.58,23.35) ; v1(13.48,74.58) 12.2,75.85 v1(11.98,75.85) ; v1(13.78,125.48) 12.5,126.75 v1(12.28,126.75)
